# Altium PCB dcb_v2.PcbDoc (part 1 of 2) (continued)
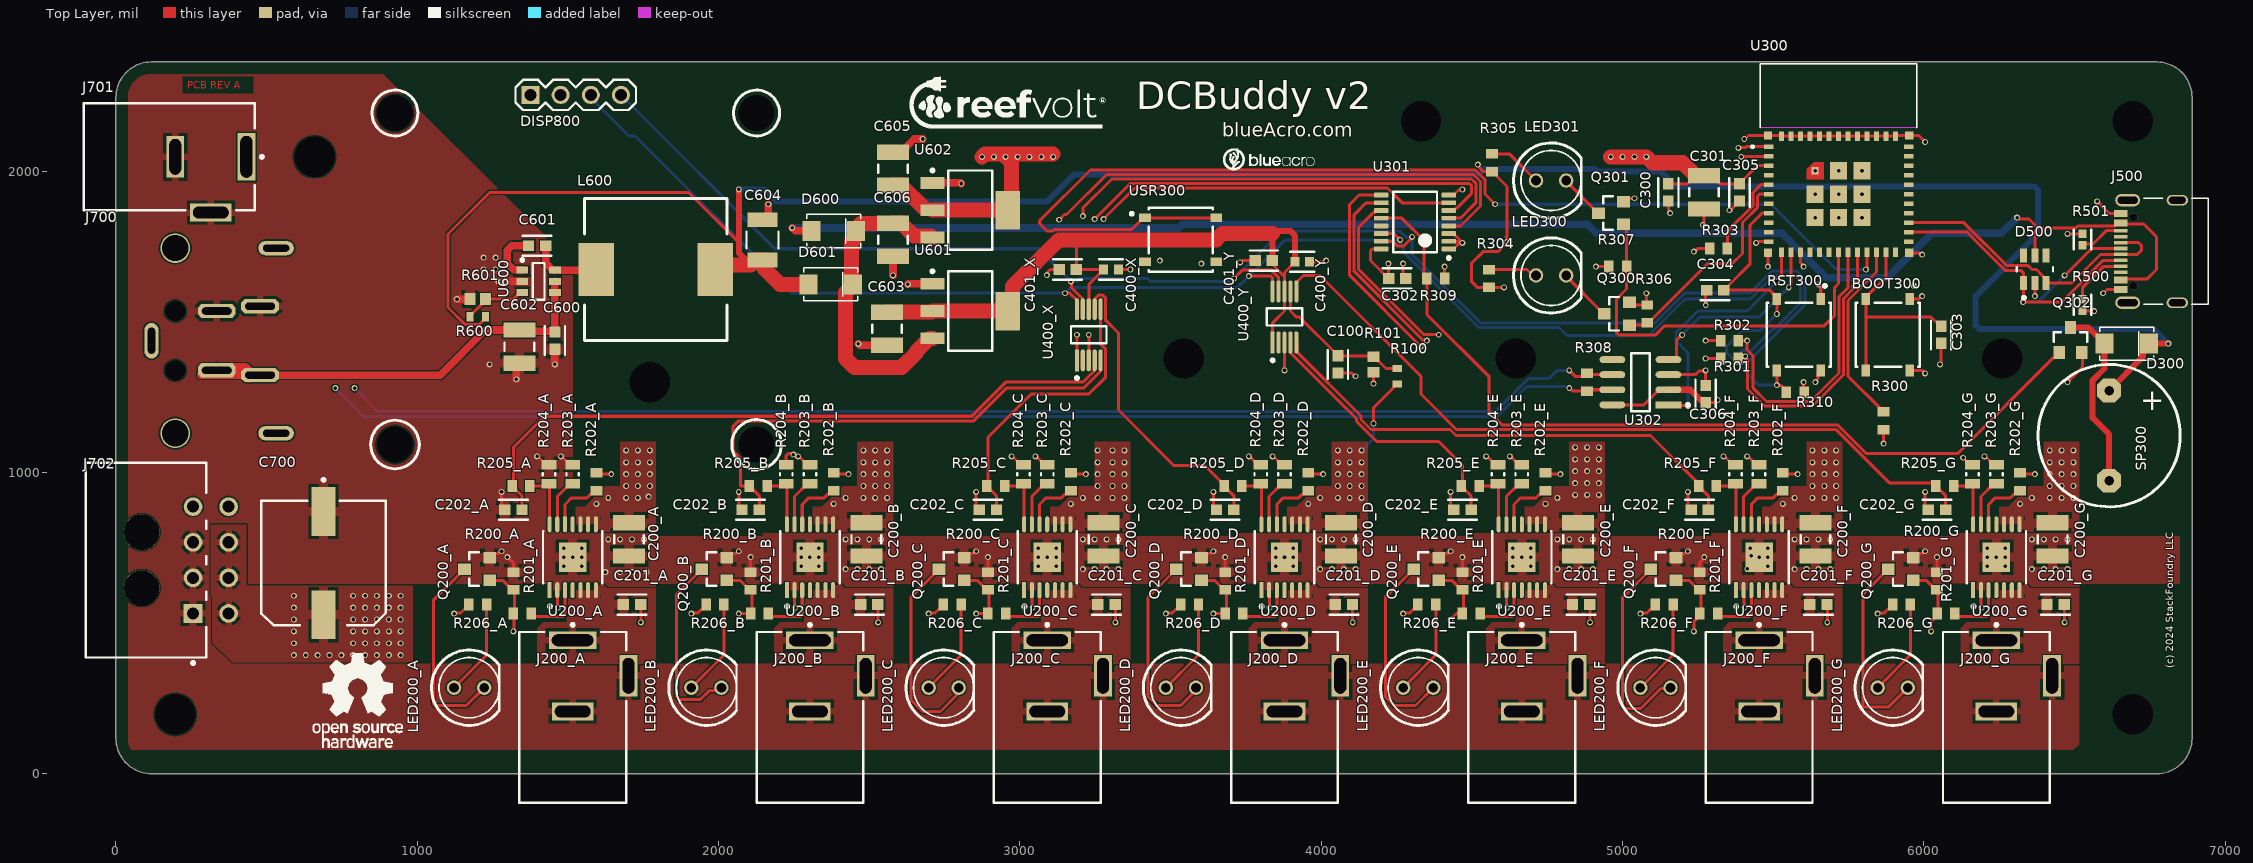
[diagram p0: Top Layer view]
## Components (designator, comment, footprint, x,y, rotation, side; value= is the part's Value field where it differs from the comment) (continued)
LED200_D "LED_INDICATOR" LED5MM 3584.25,285.43 r0 top (schematic designator LED200)
LED200_E "LED_INDICATOR" LED5MM 4371.65,285.43 r0 top (schematic designator LED200)
LED200_F "LED_INDICATOR" LED5MM 5159.06,285.43 r0 top (schematic designator LED200)
LED200_G "LED_INDICATOR" LED5MM 5946.46,285.43 r0 top (schematic designator LED200)
LED300 "LED_INDICATOR" LED5MM 4812.6,1653.54 r0 top
LED301 "LED_INDICATOR" LED5MM 4812.6,1968.5 r0 top
Q200_A "NFET" SOT23-3 1200.79,679.13 r90 top (schematic designator Q200)
Q200_B "NFET" SOT23-3 1988.19,679.13 r90 top (schematic designator Q200)
Q200_C "NFET" SOT23-3 2775.59,679.13 r90 top (schematic designator Q200)
Q200_D "NFET" SOT23-3 3562.99,679.13 r90 top (schematic designator Q200)
Q200_E "NFET" SOT23-3 4350.39,679.13 r90 top (schematic designator Q200)
Q200_F "NFET" SOT23-3 5137.8,679.13 r90 top (schematic designator Q200)
Q200_G "NFET" SOT23-3 5925.2,679.13 r90 top (schematic designator Q200)
Q300 "NFET" SOT23-3 4983.44,1525.91 r90 top
Q301 "NFET" SOT23-3 4963.75,1860.55 r90 top
Q302 "NFET" SOT23-3 6486.22,1437.01 r0 top
R100 "100k 0603 1%" RESC1608-IPC-LL 4251.97,1318.9 r270 top value=100k
R101 "7.15k 0603 0.1%" RESC1608X55X30NL20T20 4173.23,1358.27 r90 top value=7.15kR
R200_A "10K 0603 1%" RESC1608-IPC-ML 1318.9,639.76 r90 top value=10k (schematic designator R200)
R200_B "10K 0603 1%" RESC1608-IPC-ML 2106.3,639.76 r90 top value=10k (schematic designator R200)
R200_C "10K 0603 1%" RESC1608-IPC-ML 2893.7,639.76 r90 top value=10k (schematic designator R200)
R200_D "10K 0603 1%" RESC1608-IPC-ML 3681.1,639.76 r90 top value=10k (schematic designator R200)
R200_E "10K 0603 1%" RESC1608-IPC-ML 4468.5,639.76 r90 top value=10k (schematic designator R200)
R200_F "10K 0603 1%" RESC1608-IPC-ML 5255.91,639.76 r90 top value=10k (schematic designator R200)
R200_G "10K 0603 1%" RESC1608-IPC-ML 6043.31,639.76 r90 top value=10k (schematic designator R200)
R201_A "4.7k 0603 1%" RESC1608-IPC-ML 1348.43,531.5 r0 top (schematic designator R201)
R201_B "4.7k 0603 1%" RESC1608-IPC-ML 2135.83,531.5 r0 top (schematic designator R201)
R201_C "4.7k 0603 1%" RESC1608-IPC-ML 2923.23,531.5 r0 top (schematic designator R201)
R201_D "4.7k 0603 1%" RESC1608-IPC-ML 3710.63,531.5 r0 top (schematic designator R201)
R201_E "4.7k 0603 1%" RESC1608-IPC-ML 4498.03,531.5 r0 top (schematic designator R201)
R201_F "4.7k 0603 1%" RESC1608-IPC-ML 5285.43,531.5 r0 top (schematic designator R201)
R201_G "4.7k 0603 1%" RESC1608-IPC-ML 6072.83,531.5 r0 top (schematic designator R201)
R202_A "4.7k 0603 1%" RESC1608-IPC-ML 1594.49,968.5 r270 top (schematic designator R202)
R202_B "4.7k 0603 1%" RESC1608-IPC-ML 2381.89,968.5 r270 top (schematic designator R202)
R202_C "4.7k 0603 1%" RESC1608-IPC-ML 3169.29,968.5 r270 top (schematic designator R202)
R202_D "4.7k 0603 1%" RESC1608-IPC-ML 3956.69,968.5 r270 top (schematic designator R202)
R202_E "4.7k 0603 1%" RESC1608-IPC-ML 4744.09,968.5 r270 top (schematic designator R202)
R202_F "4.7k 0603 1%" RESC1608-IPC-ML 5531.5,968.5 r270 top (schematic designator R202)
R202_G "4.7k 0603 1%" RESC1608-IPC-ML 6318.9,968.5 r270 top (schematic designator R202)
R203_A "RC0805FR-07470RL" RESC2013X60X35LL10T20 1515.75,994.09 r270 top value=470R (schematic designator R203)
R203_B "RC0805FR-07470RL" RESC2013X60X35LL10T20 2303.15,994.09 r270 top value=470R (schematic designator R203)
R203_C "RC0805FR-07470RL" RESC2013X60X35LL10T20 3090.55,994.09 r270 top value=470R (schematic designator R203)
R203_D "RC0805FR-07470RL" RESC2013X60X35LL10T20 3877.95,994.09 r270 top value=470R (schematic designator R203)
R203_E "RC0805FR-07470RL" RESC2013X60X35LL10T20 4665.35,994.09 r270 top value=470R (schematic designator R203)
R203_F "RC0805FR-07470RL" RESC2013X60X35LL10T20 5452.76,994.09 r270 top value=470R (schematic designator R203)
R203_G "RC0805FR-07470RL" RESC2013X60X35LL10T20 6240.16,994.09 r270 top value=470R (schematic designator R203)
R204_A "RC0805FR-07470RL" RESC2013X60X35LL10T20 1437.01,994.09 r270 top value=470R (schematic designator R204)
R204_B "RC0805FR-07470RL" RESC2013X60X35LL10T20 2224.41,994.09 r270 top value=470R (schematic designator R204)
R204_C "RC0805FR-07470RL" RESC2013X60X35LL10T20 3011.81,994.09 r270 top value=470R (schematic designator R204)
R204_D "RC0805FR-07470RL" RESC2013X60X35LL10T20 3799.21,994.09 r270 top value=470R (schematic designator R204)
R204_E "RC0805FR-07470RL" RESC2013X60X35LL10T20 4586.61,994.09 r270 top value=470R (schematic designator R204)
R204_F "RC0805FR-07470RL" RESC2013X60X35LL10T20 5374.02,994.09 r270 top value=470R (schematic designator R204)
R204_G "RC0805FR-07470RL" RESC2013X60X35LL10T20 6161.42,994.09 r270 top value=470R (schematic designator R204)
R205_A "4.7k 0603 1%" RESC1608-IPC-ML 1344.49,954.72 r180 top (schematic designator R205)
R205_B "4.7k 0603 1%" RESC1608-IPC-ML 2131.89,954.72 r180 top (schematic designator R205)
R205_C "4.7k 0603 1%" RESC1608-IPC-ML 2919.29,954.72 r180 top (schematic designator R205)
R205_D "4.7k 0603 1%" RESC1608-IPC-ML 3706.69,954.72 r180 top (schematic designator R205)
R205_E "4.7k 0603 1%" RESC1608-IPC-ML 4494.09,954.72 r180 top (schematic designator R205)
R205_F "4.7k 0603 1%" RESC1608-IPC-ML 5281.5,954.72 r180 top (schematic designator R205)
R205_G "4.7k 0603 1%" RESC1608-IPC-ML 6068.9,954.72 r180 top (schematic designator R205)
R206_A "220R 0603 5%" RESC1608-IPC-ML 1200.79,561.02 r180 top value=220 (schematic designator R206)
R206_B "220R 0603 5%" RESC1608-IPC-ML 1988.19,561.02 r180 top value=220 (schematic designator R206)
R206_C "220R 0603 5%" RESC1608-IPC-ML 2775.59,561.02 r180 top value=220 (schematic designator R206)
R206_D "220R 0603 5%" RESC1608-IPC-ML 3562.99,561.02 r180 top value=220 (schematic designator R206)
R206_E "220R 0603 5%" RESC1608-IPC-ML 4350.39,561.02 r180 top value=220 (schematic designator R206)
R206_F "220R 0603 5%" RESC1608-IPC-ML 5137.8,561.02 r180 top value=220 (schematic designator R206)
R206_G "220R 0603 5%" RESC1608-IPC-ML 5925.2,561.02 r180 top value=220 (schematic designator R206)
R300 "10K 0603 1%" RESC1608-IPC-ML 5866.14,1171.26 r270 top value=10k
R301 "10K 0603 1%" RESC1608-IPC-ML 5354.33,1377.95 r180 top value=10k
R302 "10K 0603 1%" RESC1608-IPC-ML 5354.33,1437.01 r180 top value=10k
R303 "10K 0603 1%" RESC1608-IPC-ML 5318.08,1742.44 r180 top value=10k
R304 "220R 0603 5%" RESC1608-IPC-ML 4557.09,1643.7 r270 top value=220
R305 "220R 0603 5%" RESC1608-IPC-ML 4566.93,2027.56 r270 top value=220
R306 "10K 0603 1%" RESC1608-IPC-ML 5081.86,1525.91 r270 top value=10k
R307 "10K 0603 1%" RESC1608-IPC-ML 4983.44,1683.39 r0 top value=10k
R308 "120R 0603 5%" RESC1608-IPC-ML 4881.89,1299.21 r90 top value=120
R309 "10K 0603 1%" RESC1608-IPC-ML 4379.92,1643.7 r180 top value=10k
R310 "10K 0603 1%" RESC1608-IPC-ML 5573.22,1265.88 r0 top value=10k
R500 "AC0402FR-075K1L" FP-AC0402-IPC_A 6525.59,1555.96 r90 top value=5.1kR
R501 "AC0402FR-075K1L" FP-AC0402-IPC_A 6525.59,1772.5 r270 top value=5.1kR
R600 "100k 0603 1%" RESC1608-IPC-LL 1200.79,1515.75 r0 top
R601 "7.15k 0603 0.1%" RESC1608X55X30NL20T20 1200.79,1574.8 r0 top value=7.15kR
RST300 "PTS526SK15SMTR2LFS" FP-PTS526SK15SMTR2LFS-MFG 5584.65,1456.69 r270 top
SP300 "WST-1212UX" WST-1212UX-Footprint-1 6614.17,1122.05 r0 top
U200_A "TPS1H100BQPWPRQ1" FP-PWP0014C-IPC_C 1515.75,718.5 r90 top (schematic designator U200)
U200_B "TPS1H100BQPWPRQ1" FP-PWP0014C-IPC_C 2303.15,718.5 r90 top (schematic designator U200)
U200_C "TPS1H100BQPWPRQ1" FP-PWP0014C-IPC_C 3090.55,718.5 r90 top (schematic designator U200)
U200_D "TPS1H100BQPWPRQ1" FP-PWP0014C-IPC_C 3877.95,718.5 r90 top (schematic designator U200)
U200_E "TPS1H100BQPWPRQ1" FP-PWP0014C-IPC_C 4665.35,718.5 r90 top (schematic designator U200)
U200_F "TPS1H100BQPWPRQ1" FP-PWP0014C-IPC_C 5452.76,718.5 r90 top (schematic designator U200)
U200_G "TPS1H100BQPWPRQ1" FP-PWP0014C-IPC_C 6240.16,718.5 r90 top (schematic designator U200)
U300 "ESP32-C3-MINI-1-N4" XCVR_ESP32-C3-MINI-1-N4 5716.54,2029.53 r0 top
U301 "PCA9554APW" PW0016A_L 4311.02,1830.71 r180 top
U302 "SN65HVD230DR" FP-D0008A-IPC_B 5059.06,1299.21 r180 top
U400_X "ADS1115IDGSR" FP-DGS0010A-IPC_A 3228.35,1456.69 r90 top (schematic designator U400)
U400_Y "ADS1115IDGSR" FP-DGS0010A-IPC_A 3877.95,1515.75 r90 top (schematic designator U400)
U600 "LMR51610XFDBVR" SOT95P280X145-6N 1402.56,1633.86 r0 top
U601 "LM1117MPX-5.0" DCY0004A_M 2834.65,1535.43 r0 top
U602 "LM1117IMP-3.3/NOPB" DCY0004A_M 2834.65,1870.08 r0 top
USR300 "PTS526SK15SMTR2LFS" FP-PTS526SK15SMTR2LFS-MFG 3533.46,1771.65 r0 top

## Footprints (in the part's own frame and the unit in brackets; to place one, negate y for a bottom-side part, rotate by r counter-clockwise, add the part's x,y. Pads: shape width x height; smd on the part's side, far side on the other; paste and mask are expansions set on the pad)
AMPHENOL_10155435-00011LF [mm]
  rect 0.6x1.14 smd: A1_B12(-3.2,4.75) A4_B9(-2.4,4.75) B1_A12(3.2,4.75) B4_A9(2.4,4.75)
  rect 0.3x1.14 smd: A5(-1.25,4.75) A6(-0.25,4.75) A7(0.25,4.75) A8(1.25,4.75) B5(1.75,4.75) B6(0.75,4.75) B7(-0.75,4.75) B8(-1.75,4.75)
  oval 1.05x2.1 hole 0.6 slot 1.7 at 90 deg: SH1(-4.32,4.18) SH2(4.32,4.18)
  oval 0.9x1.8 hole 0.6 slot 1.4 at 90 deg: SH3(-4.32,0) SH4(4.32,0)
  round 0.65 hole 0.65 unplated: ""(-2.89,3.68) ""(2.89,3.68)
  silkscreen extent -4.47,-2.6 4.47,2.81, body extent -4.47,-2.6 4.47,5, height 3.26
CAPC3225X20N [mm] "Chip Capacitor, 2-Leads, Body 3.20x2.50mm, IPC Medium Density"
  rect 1.3x2.7 smd: 1(-1.4,0) 2(1.4,0)
  silkscreen extent -0.35,-1.25 0.35,1.25, body extent -1.7,-1.35 1.7,1.35, height 2
CUI-PJ-002A_V [mm] "THD, 3-Leads, Body 14.4x9mm, Height 11mm"
  rect 1.5x4 hole 1 slot 3.5 at 90 deg: 1(-3,0)
  rect 1.5x3.5 hole 1 slot 3 at 90 deg: 2(3,0)
  rect 3.5x1.5 hole 1 slot 3 at 0 deg: 3(0,4.7)
  silkscreen extent -4.42,-4.5 10.7,4.5, body extent -3.7,-4.5 10.7,4.9, height 11
DCY0004A_M [mm] "SOT223, 4-Leads, Body 6.7x3.7mm, Pitch 2.3mm, IPC Low Density"
  rrect10% 2.05x1 smd: 1(-3.175,2.3) 2(-3.175,0) 3(-3.175,-2.3)
  rrect5% 2.05x3.25 smd: 4(3.175,0)
  silkscreen extent -3.3,-3.35 1.85,3.47, body extent -3.5,-3.25 3.5,3.25, height 1.62
FP-1210-L_3_2_0_3-W_2_5_0-MFG [mm]
  rect 1.25x2.5 smd paste+0 mask+0: 1(-1.7,0) 2(1.7,0)
  silkscreen extent -0.7,-1.35 0.7,1.35, body extent -2.42,-1.45 2.42,1.45, height 0.25
FP-43045-0802-MFG [mm]
  rect 1.57x1.57 hole 1.02 paste-2539.97 mask+0: 1(4.49,3.965)
  round 1.57 hole 1.02 paste-2539.97 mask+0: 2(1.49,3.965) 3(-1.51,3.965) 4(-4.51,3.965) 5(4.49,6.965) 6(1.49,6.965) 7(-1.51,6.965) 8(-4.51,6.965)
  round 3 hole 3 unplated paste-2539.97 mask+0: ""(-2.35,-0.355) ""(2.35,-0.355)
  silkscreen extent -8.2,-5.08 8.79,5.08, body extent -8.3,-5.18 8.3,7.85, height 0.25
FP-AC0402-IPC_A [mil]
  rect 28.16x26.48 smd paste+0 mask+0: 1(-18.84,0) 2(18.84,0)
  silkscreen extent -33,-29 33,29, body extent -41,-21 41,21, height 10
FP-CL10-IPC_B [mil]
  rect 37.72x35.91 smd paste+0 mask+0: 1(-28.62,0) 2(28.62,0)
  silkscreen extent -47,-34 47,34, body extent -57,-28 57,28, height 10
FP-CL10-IPC_C [mil]
  rect 29.85x31.97 smd paste+0 mask+0: 1(-24.68,0) 2(24.68,0)
  silkscreen extent -40,-33 40,33, body extent -44,-22 44,22, height 10
FP-D0008A-IPC_B [mil]
  rect 85.4x22.92 smd paste+0 mask+0: 1(-93.06,75)
  rrect100% 85.4x22.92 smd paste+0 mask+0: 2(-93.06,25) 3(-93.06,-25) 4(-93.06,-75) 5(93.06,-75) 6(93.06,-25) 7(93.06,25) 8(93.06,75)
  silkscreen extent -162,-97 31,97, body extent -146,-106 146,106, height 10
FP-DGS0010A-IPC_A [mm]
  rect 1.857x0.35 smd paste+0 mask+0: 1(-2.151,1)
  rrect100% 1.857x0.35 smd paste+0 mask+0: 2(-2.151,0.5) 3(-2.151,0) 4(-2.151,-0.5) 5(-2.151,-1) 6(2.151,-1) 7(2.151,-0.5) 8(2.151,0) 9(2.151,0.5) 10(2.151,1)
  silkscreen extent -3.78,-1.5 0.72,1.5
FP-FKG-MFG [mm]
  rect 4.1x2 smd paste+0 mask+0: 1(-4.35,0) 2(4.35,0)
  silkscreen extent -7.15,-5.25 5.25,5.25, body extent -6.5,-5.35 6.5,5.35, height 0.25
FP-PTS526SK15SMTR2LFS-MFG [mm]
  rect 1x0.7 smd paste+0 mask+0: 1(-3,1.85) 2(3,1.85) 3(-3,-1.85) 4(3,-1.85)
  silkscreen extent -4.25,-2.7 2.7,2.7, body extent -3.6,-2.8 3.6,2.8, height 0.25
FP-PWP0014C-IPC_C [mm]
  rect 1.355x0.341 smd paste+0 mask+0: 1(-2.775,1.95)
  rrect100% 1.355x0.341 smd paste+0 mask+0: 2(-2.775,1.3) 3(-2.775,0.65) 4(-2.775,0) 5(-2.775,-0.65) 6(-2.775,-1.3) 7(-2.775,-1.95) 8(2.775,-1.95) 9(2.775,-1.3) 10(2.775,-0.65) 11(2.775,0) 12(2.775,0.65) 13(2.775,1.3) 14(2.775,1.95)
  rect 2.46x2.31 smd paste-1000 mask+0: 15(0,0)
  silkscreen extent -4.28,-2.5 2.2,2.5, body extent -3.55,-2.6 3.55,2.6, height 0.25
FP-SOT23-6L-MFG [mm]
  rect 1.2x0.6 smd paste+0 mask+0: 1(-1.15,0.95) 2(-1.15,0) 3(-1.15,-0.95) 4(1.15,-0.95) 5(1.15,0) 6(1.15,0.95)
  silkscreen extent -2.52,-1.53 0.18,1.53, body extent -1.85,-1.63 1.85,1.63, height 0.25
LED5MM [mil]
  round 48 hole 32: A(-100,0) C(0,0)
  silkscreen extent -175,-125 50,125, body extent -172,-114 44,122, height 335
OLED_1_3_CARRIERBOARD-Footprint-1 [mil]
  rect 60x60 hole 40: 1(0,0)
  round 60 hole 40: 2(100,0) 3(200,0) 4(300,0)
  round 0 hole 120 unplated paste-99999: ""(-450,-1160) ""(-450,-60) ""(750,-1160) ""(750,-60)
  silkscreen extent -531,-1242 832,50, body extent -552,-1263 852,60, height 563
PD40S [mm]
  oct 1.2x3.2 hole 0.6 slot 2.5 at 90 deg: 1(2.9,-9.15) 2(-2.9,-9.15) 3(2.5,-5.5) 4(-2.5,-5.5)
  oval 1.2x3 hole 0.6 slot 2.2 at 90 deg: SHLD(-7.8,-10.5) SHLD(7.8,-10.5)
  oval 3x1.2 hole 0.6 slot 2.2 at 0 deg: SHLD(0,0)
  round 2.5 hole 2.2 unplated: ""(-7.8,-2) ""(7.8,-2)
  round 0 hole 1.7 unplated: ""(-2.5,-2) ""(2.5,-2)
  body extent -7.9,-11.8 8.1,5.6, height 15.01
PW0016A_L [mm] "SOP, 16-Leads, Body 5.1x4.5mm, Pitch 0.65mm, IPC High Density"
  rrect25% 1.2x0.4 smd: 1(-2.85,2.275) 2(-2.85,1.625) 3(-2.85,0.975) 4(-2.85,0.325) 5(-2.85,-0.325) 6(-2.85,-0.975) 7(-2.85,-1.625) 8(-2.85,-2.275) 9(2.85,-2.275) 10(2.85,-1.625) 11(2.85,-0.975) 12(2.85,-0.325) 13(2.85,0.325) 14(2.85,0.975) 15(2.85,1.625) 16(2.85,2.275)
  silkscreen extent -2.98,-2.55 1.85,3.15, body extent -3.21,-2.5 3.21,2.5, height 1
RESC1608-IPC-LL [mm] "Chip Resistor, 2-Leads, Body 1.60x0.80mm, IPC High Density"
  rect 0.6x0.8 smd: 1(-0.65,0) 2(0.65,0)
  body extent -0.8,-0.4 0.8,0.4, height 0.45
RESC1608-IPC-ML [mm] "Chip Resistor, 2-Leads, Body 1.60x0.80mm, IPC Low Density"
  rect 0.8x1 smd: 1(-0.75,0) 2(0.75,0)
  body extent -0.8,-0.4 0.8,0.4, height 0.45
RESC1608X55X30NL20T20 [mm] "Chip Resistor, 2-Leads, Body 1.60x0.80mm, IPC Medium Density"
  rect 0.9x1 smd: 1(-0.65,0) 2(0.65,0)
  body extent -0.9,-0.5 0.9,0.5, height 0.55
RESC2013X60X35LL10T20 [mm] "Chip Resistor, 2-Leads, Body 2.1x1.35mm, IPC High Density"
  rect 0.8x1.25 smd: 1(-0.8,0) 2(0.8,0)
  silkscreen extent -0.1,-0.53 0.1,0.53, body extent -1.05,-0.67 1.05,0.68, height 0.6
SMA [mil]
  rect 60x66 smd: A(74,0) K(-74,0)
  silkscreen extent -90,-55 90,55, body extent -108,-55 108,55, height 91
SOT23-3 [mil]
  rect 38x42 smd: 1(-37.4,-39.37) 2(38,-39.37) 3(0,44)
  silkscreen extent -55,-4 56,28, body extent -57,-50 57,60, height 51
SOT95P280X145-6N [mm] "SOT23, 6-Leads, Body 2.90x2.80mm, Pitch 0.95mm, IPC Medium Density"
  rect 1x0.6 smd: 1(-1.375,0.95) 2(-1.375,0) 3(-1.375,-0.95) 4(1.375,-0.95) 5(1.375,0) 6(1.375,0.95)
  silkscreen extent -1.5,-1.55 0.5,1.92, body extent -1.5,-1.53 1.5,1.53, height 1.45
SRR1260-680M-Footprint-1 [mm]
  rect 3x4.5 smd: 1(-5,0) 2(5,0)
  silkscreen extent -6,-6 6,6, body extent -6.25,-6.25 6.25,6.25, height 6.01
WST-1212UX-Footprint-1 [mm]
  oct 2x2 hole 0.8: +(0,3.8) -(0,-3.8)
  silkscreen extent -6,-6 6,6, body extent -5.98,-6 6,6, height 7.51
XCVR_ESP32-C3-MINI-1-N4 [mm]
  rect 0.8x0.4 smd: 1(-5.9,1.3) 2(-5.9,0.5) 3(-5.9,-0.3) 4(-5.9,-1.1) 5(-5.9,-1.9) 6(-5.9,-2.7) 7(-5.9,-3.5) 8(-5.9,-4.3) 9(-5.9,-5.1) 10(-5.9,-5.9) 11(-5.9,-6.7) 25(5.9,-6.7) 26(5.9,-5.9) 27(5.9,-5.1) 28(5.9,-4.3) 29(5.9,-3.5) 30(5.9,-2.7) 31(5.9,-1.9) 32(5.9,-1.1) 33(5.9,-0.3) 34(5.9,0.5) 35(5.9,1.3)
  rect 0.4x0.8 smd: 12(-4.8,-7.6) 13(-4,-7.6) 14(-3.2,-7.6) 15(-2.4,-7.6) 16(-1.6,-7.6) 17(-0.8,-7.6) 18(0,-7.6) 19(0.8,-7.6) 20(1.6,-7.6) 21(2.4,-7.6) 22(3.2,-7.6) 23(4,-7.6) 24(4.8,-7.6) 36(4.8,2.2) 37(4,2.2) 38(3.2,2.2) 39(2.4,2.2) 40(1.6,2.2) 41(0.8,2.2) 42(0,2.2) 43(-0.8,2.2) 44(-1.6,2.2) 45(-2.4,2.2) 46(-3.2,2.2) 47(-4,2.2) 48(-4.8,2.2)
  rect 0.6x0.6 smd paste-1 mask+0: 49_1(-1.975,-0.725)
  rect 1.45x1.45 smd: 49_2(0,-0.725) 49_3(1.975,-0.725) 49_4(1.975,-2.7) 49_5(1.975,-4.675) 49_6(0,-4.675) 49_7(-1.975,-4.675) 49_8(-1.975,-2.7) 49_9(0,-2.7)
  rect 0.7x0.7 smd: 50(5.95,2.25) 51(5.95,-7.65) 52(-5.95,-7.65) 53(-5.95,2.25)
  Top Layer region: -1.25,-1.45 -2.7,-1.45 -2.7,-0.6 -2.1,0 -1.25,0
  Keep-Out Layer region: 6.6,2.9 -6.6,2.9 -6.6,8.3 6.6,8.3
  Keep-Out Layer region: 6.6,2.9 -6.6,2.9 -6.6,8.3 6.6,8.3
  silkscreen extent -7.35,1.2 6.6,8.3, body extent -6.6,-8.3 6.6,8.3, height 2.55

## Part data
BOOT300 RST300 USR300: library part CMP-011-00015-1, "Switch Tactile N.O. SPST Round Button Gull Wing 0.05A 12VDC 200000Cycles 2.45N SMD T/R", Contact Current Rating=50mA, Contact Resistance=100mR, Max Operating Temperature=70°C, Min Operating Temperature=-20°C, Operating Force=260gf, Ratings=IP40, Voltage Rating (DC)=12V, Actuator Type=Standard, Height=1.65mm, Illumination Type=Non-Illuminated, Mechanical Life=200000Cycles, Mounting Technology="Surface Mount", Number of Positions=2, Series=PTS526, Switch Function=Off-Mom, Switch Travel=0.25mm, Termination="Gull Wing", Throw Configuration=SPST
C100 C201_A C201_B C201_C C201_D C201_E C201_F C201_G C202_A C202_B C202_C C202_D C202_E C202_F C202_G C300 C303 C305 C306 C401_X C401_Y C600 C601: library part CMP-001-00084-7, "Cap Ceramic 0.1uF 50V X7R 20% SMD 0603 125C Paper T/R", Voltage=50V
C200_A C200_B C200_C C200_D C200_E C200_F C200_G C301 C602 C603 C605 C606: library part CMP-001-00083-3, "CAP CER 4.7UF 50V X7R 1210", Capacitance=4.7uF, Case Code (Imperial)=1210, Case Code (Metric)=3225, Dielectric=X7R, Max Operating Temperature=125°C, Min Operating Temperature=-55°C, Package Quantity=1, Tolerance=10%, Voltage=50V, Case/Package=1210, Contact Plating=Tin, Depth=2.5mm, Height=1.8mm, Lead Free="Lead Free", Length=3.2mm, Material=Ceramic, Mount="Surface Mount", Packaging="Tape and Reel", Radiation Hardening=No, Thickness=0.079inch, Voltage Rating=50V, Width=0.098inch
C302 C304: library part CMP-001-00085-7, "Cap Ceramic 1uF 10V X7R 10% SMD 0603 125C Paper T/R"
C400_X C400_Y: library part CMP-001-00101-4, "Cap Ceramic 4.7uF 6.3V X7R 10% SMD 0603 125°C Paper T/R"
C604: library part CMP-001-00125-1, "1210 22 uF 25 V ±20% Tolerance X7R Multilayer Ceramic Chip Capacitor", Case Code (Imperial)=1210, Case Code (Metric)=3225, Max Operating Temperature=125°C, Min Operating Temperature=-55°C, Tolerance=20%, Voltage Rating=25V, Case/Package=1210, Mounting Technology="Surface Mount", Packaging="Tape and Reel", RoHS Compliant=Yes, Series=M
C700: library part CMP-001-00124-1, "Cap Aluminum 56uF 63V 20% (10 X 10.2mm) SMD 0.03 Ohm 1800mA 5000h 105 C Embossed T/R", Case/Package=Radial, ESR (Equivalent Series Resistance)=30mR, Leakage Current=3uA, Max Operating Temperature=105°C, Min Operating Temperature=-55°C, Package Quantity=500, Ratings=AEC-Q200, Ripple Current=1.8A, Tolerance=20%, Voltage=63V, Construction=Cylindrical, Diameter=10mm, Height=10.2mm, Lead Diameter=0.9mm, Lead Free="Lead Free", Lead Pitch=4.6mm, Length=10.2mm, Life (Hours)=5000Hour, Material=Polymer, Mounting Technology="Surface Mount,PCB", Packaging="Tape and Reel", Radiation Hardening=No, Reach SVHC Compliant=No, Ripple Current (AC)=1.8A, RoHS Compliant=Yes, Series=ZA, Technology=HYBRID, Termination=SMD/SMT, Voltage Rating=63V, Voltage Rating (DC)=63V
D300 D600 D601: library part CMP-080-0002-2, Design Item ID=DIODE_SCHOTTKY, Source=diode.SCHLIB
D500: library part CMP-004-00040-1, "ESD Suppressor 15KV 6-Pin SOT-23 T/R - Product that comes on tape, but is not reeled", Breakdown Voltage=6V, Case/Package=SOT-23, Clamping Voltage=17V, Leakage Current=150nA, Max Breakdown Voltage=10V, Max Operating Temperature=125°C, Max Reverse Leakage Current=2uA, Min Operating Temperature=-40°C, Operating Supply Voltage=860mV, Peak Pulse Current=5A, Power Line Protection=Yes, Reverse Standoff Voltage=5V, Test Current=1mA, Clamping Voltage-Max=17V, Depth=1.75mm, Direction=Unidirectional, ESD Protection=Yes, Height=1.3mm, Lead Free="Lead Free", Length=3.05mm, Min Breakdown Voltage=6V, Mounting Technology="Surface Mount", Number of Channels=4, Number of Elements=1, Number of Unidirectional Channels=4, Packaging="Tape and Reel", Pins=6, Polarity=Unidirectional,Bidirectional, Radiation Hardening=No, Reach SVHC Compliant=No, Reverse Breakdown Voltage=6V, RoHS Compliant=Yes, Series=USB, Termination=SMD/SMT, Voltage Rating (DC)=5V, Width=1.75mm, Working Voltage=5V
DISP800: library part CMP-00028-00008-2, "Use 4 pin header 0901471104 on board"
J200_A J200_B J200_C J200_D J200_E J200_F J200_G J701: library part CMP-167-0003-2, "2.0 x 6.5 mm, 2.5 A, Horizontal, Through Hole, Dc Power Jack Connector", Design Item ID=PJ-0XX, Source=con-jack.SCHLIB
J500: library part CMP-243-000000-3, "16 Position 5 A USB Right Angle Receptacle Connector", Package=None, Availability=Unavailable, Component Type=Standard, Design Item ID=10155435-00011LF, MF="Amphenol ICC (FCI)", MP=10155435-00011LF, Pin Count=16, Price=None, Source=10155435-00011LF.SchLib
J700: library part CMP-167-0005-1, Design Item ID=DIN4PWR, Source=con-jack.SCHLIB
J702: library part CMP-002-00102-1, "Conn, Rect/PCB, Header, Rt Angle, 2 Row, 8 Pos, Micro-Fit 3.0, Gold, SMT, GlowWire Comp.", Case/Package=0802, Color=Black, Contact Resistance=10mR, Current Rating=5A, Flammability Rating="UL94 V-0", Insulation Resistance=1GR, Max Operating Temperature=105°C, Min Operating Temperature=-40°C, Package Quantity=1440, Voltage Rating=250V, Connector Type=Plug, Contact Material=Brass, Contact Plating=Gold, Depth=12.2mm, Diameter=3mm, Gender=Male, Glow Wire Compliant=Compliant, Halogen Free="Low Halogen", Height=8.77mm, Housing Color=Black, Housing Material=Thermoplastic, Lead Free="Lead Free", Length=16.15mm, Max Current Rating=5A, Mounting Technology="Through Hole", Number of Circuits=8, Number of Contacts=8, Number of Positions=8, Number of Rows=2, Orientation="Right Angle", Packaging=Tray, Pitch=3mm, Reach SVHC Compliant=Yes, RoHS Compliant=Yes, Row Spacing=3mm, Series="Micro-Fit 3.0", Termination=Solder, Voltage Rating (DC)=250V
L600: library part CMP-006-00034-1, "Ind Power Shielded Wirewound 68uH 20% 100KHz 22Q-Factor Ferrite 2.1A T/R", Case/Package=1260, Current Rating=2.1A, DC Resistance (DCR)=110mR, Frequency=7.43MHz, Inductance Tolerance=20%, Max Operating Temperature=125°C, Min Operating Temperature=-40°C, Package Quantity=600, Test Frequency=100kHz, Core Material=Ferrite, DC Current=2.1A, Depth=12.8mm, Height=6mm, Height - Seated (Max)=0.256inch, Length=12.5mm, Material=Steel, Max DC Current=2.1A, Military Standard=Not, Mounting Technology="Surface Mount", Packaging="Tape and Reel", Pins=2, Q Factor=22, Reach SVHC Compliant=No, RMS Current (Irms)=2.1A, RoHS Compliant=Yes, Sample Rate (Hz)=100kHz, Saturation Current=2.1A, Self Resonant Frequency=7.43MHz, Series=SRR1260, Shielding=Shielded, Termination=SMD/SMT, Tolerance=20%, Width=12.5mm
LED200_A LED200_B LED200_C LED200_D LED200_E LED200_F LED200_G LED300 LED301: library part CMP-130-0003-6, Design Item ID=LED_INDICATOR, Source=led.SchLib
Q200_A Q200_B Q200_C Q200_D Q200_E Q200_F Q200_G Q300 Q301 Q302: library part CMP-094-0000-1, Design Item ID=NFET, Source=fet.SchLib
R100: library part CMP-009-00222-1, "SMD Chip Resistor, 100 kOhm, ± 1%, 100 mW, 0603 [1608 Metric], Thick Film, General Purpose", Case Code (Imperial)=0603, Case Code (Metric)=1608, Resistance Tolerance=1%, Voltage Rating=50V, Case/Package=0603, Height=0.45mm, Tolerance=1%, Width=0.8mm
R101 R601: library part CMP-009-00235-1, "Res Thin Film 0603 7.15K Ohm 0.1% 1/10W ±25ppm/°C Molded SMD SMD Punched Carrier T/R", Case Code (Imperial)=0603, Case Code (Metric)=1608, Max Operating Temperature=155°C, Max Power Dissipation=100mW, Min Operating Temperature=-55°C, Package Quantity=1, Ratings=AEC-Q200, Resistance Tolerance=0.1%, Resistor Type="Thin Film", Temperature Coefficient=25ppm/°C, Voltage Rating=75V, Case/Package=0603, Contact Plating=Tin, Depth=0.8mm, Features="Automotive AEC-Q200", Height=0.45mm, Lead Free="Lead Free", Length=1.6mm, Mounting Technology="Surface Mount", Number of Terminations=2, Packaging="Tape and Reel", Pins=2, Power Rating=100mW, Reach SVHC Compliant=No, RoHS Compliant=Yes, Series=ERA, Technology="METAL FILM", Termination=SMD/SMT, Voltage Rating (DC)=75V, Weight=7.1E-05oz, Width=0.8mm
R200_A R200_B R200_C R200_D R200_E R200_F R200_G R300 R301 R302 R303 R306 R307 R309 R310: library part CMP-009-00191-4, "Res General Purpose Thick Film 0603 10K Ohm 1% 1/10W ±100ppm/°C Molded SMD Paper T/R"
R201_A R201_B R201_C R201_D R201_E R201_F R201_G R202_A R202_B R202_C R202_D R202_E R202_F R202_G R205_A R205_B R205_C R205_D R205_E R205_F R205_G: library part CMP-009-00205-1, "RES SMD 4.7K OHM 1% 1/10W 0603"
R203_A R203_B R203_C R203_D R203_E R203_F R203_G R204_A R204_B R204_C R204_D R204_E R204_F R204_G: library part CMP-009-00233-1, "SMD Chip Resistor, 470 Ohm, ± 1%, 125 mW, 0805 [2012 Metric], Thick Film, General Purpose", Case Code (Imperial)=0805, Case Code (Metric)=2012, Max Operating Temperature=155°C, Max Power Dissipation=125mW, Min Operating Temperature=-55°C, Package Quantity=5000, Resistance Tolerance=1%, Resistor Type="Thick Film", Temperature Coefficient=100ppm/°C, Voltage Rating=150V, Case/Package=0805, Construction=Rectangular, Depth=1.25mm, Features="Moisture Resistant", Height=0.5mm, Lead Free="Lead Free", Lead Pitch=0.4mm, Length=2mm, Number of Terminations=2, Packaging="Tape and Reel", Pins=2, Power Rating=125mW, Reach SVHC Compliant=Unknown, RoHS Compliant=Yes, Series=RC, Termination=SMD/SMT, Tolerance=1%, Voltage Rating (AC)=150V, Voltage Rating (DC)=150V, Width=1.25mm
R206_A R206_B R206_C R206_D R206_E R206_F R206_G R304 R305: library part CMP-009-00183-3, "YAGEO - RC0603JR-07220RL - SMD Chip Resistor, 0603 [1608 Metric], 220 ohm, RC Series, 75 V, Thick Film, 100 mW", Case Code (Imperial)=0603, Case Code (Metric)=1608, Max Operating Temperature=155°C, Min Operating Temperature=-55°C, Power Rating=100mW, Resistance=220R, Resistor Type="Thick Film", Temperature Coefficient=100ppm/°C, Tolerance=5%, Voltage Rating=50V, Working Voltage=75V, Case/Package=0603, Depth=0.8mm, Lead Free="Lead Free", Length=1.6mm, Military Standard=Not, Number of Pins=2, Number of Terminations=2, Packaging="Tape and Reel", REACH SVHC="No SVHC", Termination=SMD/SMT, Voltage Rating (DC)=50V, Width=0.8mm
R308: library part CMP-009-00069-2, "120R 0.1W 5% 0603 (1608 Metric)  SMD", Case/Package=0603, Power=100mW, Tolerance=5%, Mounting Technology=SMT, Pins=2
R500 R501: library part CMP-009-00234-1, "SMD Chip Resistor, 5.1 kOhm, ± 1%, 63 mW, 0402 [1005 Metric], Thick Film, General Purpose", Case Code (Imperial)=0402, Case Code (Metric)=1005, Max Operating Temperature=155°C, Max Power Dissipation=63mW, Min Operating Temperature=-55°C, Temperature Coefficient=100ppm/°C, Tolerance=1%, Voltage Rating=50V, Case/Package=0402, Features="Moisture Resistant,Automotive AEC-Q200", Height=0.015inch, Lead Free="Lead Free", Length=0.039inch, Mounting Technology="Surface Mount", Number of Terminations=2, Packaging="Cut Tape", Power Rating=63mW, RoHS Compliant=Yes, Series=AC, Width=0.02inch
R600: library part CMP-009-00203-1, "Res Thick Film 1.6 x 0.8 mm 100K Ohm 1% 0.1W(1/10W) 100ppm/ C Molded SMD Paper T/R"
SP300: library part CMP-00027-00003-3, "Audio Magnetic Xdcr 9-15V Th", Frequency=2.3kHz, Max Operating Temperature=60°C, Min Operating Temperature=-20°C, Mounting Technology="Through Hole"
U200_A U200_B U200_C U200_D U200_E U200_F U200_G: library part CMP-024-00009-1, "Current Limit SW 1-IN 1-OUT 5V to 40V 4A Automotive 14-Pin HTSSOP EP T/R", Case/Package=HTSSOP, Max Operating Temperature=125°C, Max Output current=4A, Max Supply Voltage=40V, Min Operating Temperature=-40°C, Min Supply Voltage=3.5V, Fault Protection="Over Temperature", Height=1.2mm, Interface=On/Off, Lead Free="Lead Free", Length=5mm, Number of Channels=1, Number of Outputs=1, Output Configuration="High Side", Packaging="Cut Tape", Pins=14, RoHS Compliant=Yes, Series="Automotive, AEC-Q100", Thickness=1mm, Width=4.4mm
U300: library part CMP-206-000000-1, "Bluetooth, WiFi 802.11b/g/n, Bluetooth v5.0 Transceiver Module 2.412GHz ~ 2.484GHz PCB Trace Surface Mount", Package="SMD-53 Espressif Systems", Availability="In Stock", Check_prices=https://www.snapeda.com/parts/ESP32-C3-MINI-1-N4/Espressif+Systems/view-part/?ref=eda, Component Type=Standard, Design Item ID=ESP32-C3-MINI-1-N4, MF="Espressif Systems", MP=ESP32-C3-MINI-1-N4, Pin Count=61, Price=None, Purchase-URL=https://pricing.snapeda.com/search/part/ESP32-C3-MINI-1-N4/?ref=eda, SnapEDA_Link=https://www.snapeda.com/parts/ESP32-C3-MINI-1-N4/Espressif+Systems/view-part/?ref=snap, Source=ESP32-C3-MINI-1-N4.SchLib
U301: library part CMP-015-00016-1, "I2C/SMBus Interface 100kHz/400kHz 5.5V 16-Pin TSSOP Tube / IC I/O EXPANDER I2C 8B 16TSSOP", Case/Package=TSSOP, Clock Frequency=400kHz, Max Operating Temperature=85°C, Min Operating Temperature=-40°C, Operating Supply Current=104uA, Operating Supply Voltage=5.5V, Frequency=400kHz, Height=1.2mm, Lead Free="Lead Free", Length=5mm, Number of I/Os=8, Number of Outputs=8, Output Type=PUSH-PULL, Packaging=Rail/Tube, Pins=16, Radiation Hardening=No, RoHS Compliant=Yes, Series=-, Thickness=1mm, Weight=0.002183oz, Width=4.4mm
U302: library part CMP-015-00015-1, "EAR99 65HVD230 Cut Tape (CT) CANbus interface driver 3.3V 17mA 72.603129mg 1Mbps", Case/Package=D, Max Operating Temperature=85°C, Max Supply Voltage=3.6V, Min Operating Temperature=-40°C, Min Supply Voltage=3V, Operating Supply Voltage=3.3V, Package Quantity=1, Supply Current=17mA, Data Rate=1Mbps, Height=1.75mm, Lead Free="Lead Free", Length=4.9mm, Number of Drivers=1, Number of I/Os=2, Number of Receive Buffers=1, Number of Receivers=1, Number of Transceivers=1, Number of Transmit Buffers=1, Packaging="Tape and Reel", Pins=8, Radiation Hardening=No, Reach SVHC Compliant=No, RoHS Compliant=Yes, Series=-, Slew Rate=15V/µs, Termination=SMD/SMT, Thickness=1.58mm, Weight=0.002561oz, Width=3.91mm
U400_X U400_Y: library part CMP-015-00014-1, "4-Channel Single ADC Delta-Sigma 860sps 16-bit Serial 10-Pin VSSOP T/R", Case/Package=VSSOP, Max Operating Temperature=125°C, Max Supply Voltage=5.5V, Min Operating Temperature=-40°C, Min Supply Voltage=2V, Nominal Supply Current=150uA, Package Quantity=2500, Power Dissipation=900uW, Contact Plating=Gold, Conversion Rate=0.86KS/s, Height=1.07mm, Integral Nonlinearity (INL)=1LSB, Interface=I2C, Lead Free="Lead Free", Length=3mm, Max Supply Voltage (DC)=5.5V, Min Supply Voltage (DC)=2V, Number of A/D Converters=1, Number of Bits=16, Number of Channels=2, Number of Converters=1, Number of Inputs=4, Packaging="Tape and Reel", Pins=10, Polarity=Bipolar, Reach SVHC Compliant=No, Resolution=16b, RoHS Compliant=Yes, Sampling Rate=860S/s, Series=-, Supply Type=Single, Thickness=1.02mm, Width=3mm
U600: library part CMP-019-00077-1, "SIMPLE SWITCHER® power converter with 4.5V-to-65V 1A synchronous buck and 25µA quiescent current 6-SOT-23 -40 to 150"
U601: library part CMP-019-00078-1, "LDO Regulator Pos 5V 0.8A 4-Pin(3+Tab) SOT-223 T/R", Case/Package=SOT-223, Current Rating=800A, Dropout Voltage=1.2V, Max Operating Temperature=125°C, Max Output current=800mA, Max Output Voltage=5V, Max Supply Current=10mA, Max Supply Voltage=15V, Min Input Voltage=2.6V, Min Operating Temperature=0°C, Min Supply Voltage=6.5V, Output Voltage Accuracy=1%, Power Supply Rejection Ratio (PSRR)=75dB, Accuracy=1%, Lead Free="Contains Lead", Mounting Technology="Surface Mount", Number of Outputs=1, Number of Regulators=1, Output Configuration=Positive, Output Current=800mA, Output Type=Fixed, Output Voltage=5V, Packaging="Tape and Reel", Pins=4, Polarity=Positive, Quiescent Current=10mA, Reach SVHC Compliant=No, RoHS Compliant=No, Series=-, Termination=SMD/SMT
U602: library part CMP-019-00080-1, "LDO Regulator Pos 3.3V 0.8A 4-Pin(3+Tab) SOT-223 T/R / IC REG LDO 3.3V 0.8A SOT223", Case/Package=SOT-223, Current Rating=800A, Dropout Voltage=1.2V, Max Operating Temperature=125°C, Max Output current=800mA, Max Supply Voltage=10V, Min Input Voltage=2.6V, Min Operating Temperature=-40°C, Min Supply Voltage=4.75V, Nominal Output Voltage=3.3V, Output Voltage Accuracy=1%, Package Quantity=1000, Quiescent Current=15mA, Accuracy=1%, Height=1.6mm, Lead Free="Lead Free", Length=6.5mm, Min Current Limit=800mA, Mounting Technology="Surface Mount", Number of Channels=1, Number of Outputs=1, Number of Regulators=1, Output Current=800mA, Output Type=Fixed, Output Voltage=3.3V, Packaging="Tape and Reel", Pins=4, Polarity=Positive, Radiation Hardening=No, Reach SVHC Compliant=No, RoHS Compliant=Yes, Termination=SMD/SMT, Thickness=1.6mm, Width=3.56mm

## Free pads (board coordinates)
  round 0 hole 133.86 unplated: 2(4330.71,2165.35) 2(6692.91,196.85) 2(6692.91,2165.35) 3(6259.84,1377.95) 4(4645.67,1377.95) 5(3543.31,1377.95) 6(1771.65,1299.21) 7(659.45,2047.24) 8(196.85,196.85)

## Via types
v1: diameter 19.68, hole 11.81, Top Layer to Bottom Layer, 455 vias

## Nets (pads, with @x,y where several pads share a name; then routed paths per layer and width w, separated by ;. In a path a pad name is that pad's centre, name@x,y a point inside that pad or via, vN(x,y) a via of type N, cw(c..) or ccw(c..) an arc to the next point about the centre after c; other vN are vias at no path point)
3V3: C300.1 C301.2 C302.1 C305.1 C306.1 C605.2 DISP800.1 R202_A.1 R202_B.1 R202_C.1 R202_D.1 R202_E.1 R202_F.1 R202_G.1 R206_A.2 R206_B.2 R206_C.2 R206_D.2 R206_E.2 R206_F.2 R206_G.2 R300.2 R301.2 R302.2 R303.2 R304.2 R305.2 R310.2 U300.3 U301.16 U302.3 U602.2 U602.4 | length 4101.1
  Top Layer w10: v1(1122.05,531.5) 1123.9,533.35 1143.59,533.35 1156.57,546.34 1160.51,546.34 1171.26,557.09 R206_A.2@1171.26,561.02 ; R202_A.1@1594.49,994.09 v1(1643.7,994.09) ; v1(1909.45,531.5) 1911.3,533.35 1930.99,533.35 1943.98,546.34 1947.91,546.34 1958.66,557.09 R206_B.2@1958.66,561.02 ; R202_B.1@2381.89,994.09 v1(2431.1,994.09) ; v1(2696.85,531.5) 2698.7,533.35 2718.39,533.35 2731.38,546.34 2735.32,546.34 2746.06,557.09 R206_C.2@2746.06,561.02 ; R202_C.1@3169.29,994.09 v1(3218.5,994.09) ; v1(3484.25,531.5) 3486.11,533.35 3505.79,533.35 3518.78,546.34 3522.72,546.34 3533.46,557.09 R206_D.2@3533.46,561.02 ; R202_D.1@3956.69,994.09 v1(4005.91,994.09) ; U301.16@4198.82,1741.14 4169.24,1741.14 4163.39,1735.28 4163.39,1702.76 4173.23,1692.91 4222.44,1643.7 C302.1@4223.35,1643.7 4222.44,1644.61 v1(4222.44,1692.91) ; v1(4271.65,531.5) 4273.51,533.35 4293.19,533.35 4306.18,546.34 4310.12,546.34 4320.87,557.09 R206_E.2@4320.87,561.02 ; 4523.38,2012.31 4537.66,1998.03 4570.87,1998.03 4581.61,1987.28 4581.61,1983.35 4616.14,1948.82 v1(4616.14,1764) 4616.14,1761.81 4586.61,1732.28 4537.4,1732.28 4498.03,1692.91 4498.03,1633.86 4517.72,1614.17 R304.2@4557.09,1614.17 v1(4606.3,1614.17) ; 4613.52,1781.5 4616.14,1781.5 ; R202_E.1@4744.09,994.09 v1(4793.31,994.09) ; v1(5059.06,531.5) 5060.91,533.35 5080.59,533.35 5093.58,546.34 5097.52,546.34 5108.27,557.09 R206_F.2@5108.27,561.02 ; C300.1@5151.57,1957.76 5215.63,1957.76 5242.13,1984.25 C301.2@5269.69,1984.25 5297.24,1984.25 5323.74,1957.76 C305.1@5387.8,1957.76 5387.8,1958.66 5446.85,2017.72 U300.3@5484.25,2017.72 ; U302.3@5152.11,1324.21 5240.75,1324.21 5253.27,1336.73 5273.74,1336.73 v1(5275.59,1338.58) C306.1@5275.59,1288.46 ; v1(5236.22,1732.28) 5238.84,1732.28 5249,1742.44 R303.2@5288.56,1742.44 ; v1(5275.59,1377.95) R301.2@5324.8,1377.95 ; v1(5275.59,1437.01) R302.2@5324.8,1437.01 ; R202_F.1@5531.5,994.09 v1(5580.71,994.09) ; v1(5600.39,1299.21) 5600.39,1268.24 R310.2@5602.75,1265.88 ; v1(5846.46,531.5) 5848.31,533.35 5867.99,533.35 5880.98,546.34 5884.92,546.34 5895.67,557.09 R206_G.2@5895.67,561.02 ; v1(5865.82,1095.64) 5865.82,1141.42 R300.2@5866.14,1141.73 ; R202_G.1@6318.9,994.09 v1(6368.11,994.09)
  Top Layer w50: C605.2@2578.74,1952.76 2606.3,1952.76 U602.2@2683.66,1875.39 ; U602.2@2709.65,1870.08 U602.4@2959.65,1870.08 2972.44,1882.87 2972.44,2027.56 v1(2952.76,2047.24) ; v1(2874.02,2047.24) 2883.86,2057.09 v1@3110.24,2057.09 ; v1(4960.63,2047.24) v1(5000,2047.24) v1(5039.37,2047.24) v1(5078.74,2047.24) 5098.43,2027.56 5198.82,2027.56 C301.2@5241.54,1984.84
  Int2 (PWR) w25: DISP800.1@1371.08,2256.9 1380.37,2256.9 1393.48,2270.02 1393.48,2279.31 1417.32,2303.15 1899.61,2303.15
  other v1: 4519.56,2021.47 2913.39,2047.24 2992.13,2047.24 3031.5,2047.24 3070.87,2047.24 3110.24,2047.24
5V: C400_X.1 C400_Y.1 C401_X.1 C401_Y.1 C603.2 U400_X.8 U400_Y.1 U400_Y.8 U601.2 U601.4 | length 2409.9
  Top Layer w10: 3187.16,1779.68 3187.16,1756.18 C401_X.1@3187.16,1673.23 C400_X.1@3277.4,1673.23 3277.4,1672.17 3228.35,1623.11 U400_X.8@3228.35,1541.37 ; C401_Y.1@3831.26,1696.34 3877.95,1649.64 ; U400_Y.1@3838.58,1431.07 3838.58,1496.5 3877.95,1535.87 U400_Y.8@3877.95,1600.43 3877.95,1649.64 ; C400_Y.1@3912.32,1698.85 3912.32,1697.79 3877.95,1663.42 3877.95,1649.64
  Top Layer w20: C401_Y.1@3837.68,1702.76 3837.68,1792.24 3828.74,1801.18 3837.68,1801.18 3897.64,1801.18 3912.32,1786.5 C400_Y.1@3912.32,1698.85
  Top Layer w50: C603.2@2559.06,1531.5 2559.65,1532.09 2706.3,1532.09 U601.2@2709.65,1535.43 U601.4@2959.65,1535.43 2975,1550.79 2975,1616.73 3129.92,1771.65 3179.13,1771.65 ; 3187.16,1771.65 3651.57,1771.65 3672.17,1792.24 3837.68,1792.24
12V: C604.1 D300.K D601.A L600.2 R600.2 SP300.+ | length 8009
  Top Layer w10: R600.2@1226.38,1515.75 1226.38,1511.81 1204.57,1490 1159.24,1490 1102.36,1546.88 1102.36,1791.34 1240.16,1929.13 1901.13,1929.13 2066.93,1763.34
  Top Layer w20: v1(2066.93,1938.98) 2066.93,1763.34 2066.93,1728.19 C604.1@2106.62,1688.5 ; SP300.+@6614.17,1271.65 6727.23,1384.71 6727.23,1407.17 D300.K@6747.23,1427.17 v1(6811.02,1427.17)
  Top Layer w50: L600.2@1988.19,1673.23 2003.46,1688.5 2106.62,1688.5 2122.85,1704.72 C604.1@2149.8,1704.72 ; C604.1@2150.2,1704.33 2150.2,1677.38 2203.56,1624.02 D601.A@2298.05,1624.02
  Bottom Layer w20: v1(2066.93,1938.98) 2151.27,1938.98 2190.64,1899.61 3090.55,1899.61 3179.13,1988.19 4521.41,1988.19 4540.73,2007.5 4907.46,2007.5 4916.93,1998.03 5127.95,1998.03 5177.17,1948.82 6366.24,1948.82 6377.95,1937.1 6377.95,1791.34 6171.26,1584.65 6171.26,1488.09 6182.98,1476.38 6761.81,1476.38 v1(6811.02,1427.17)
BUZZ: Q302.1 R309.2 U301.12 | length 2916.1
  Top Layer w10: U301.12@4198.82,1843.5 4267.23,1843.5 4340.55,1770.19 4340.55,1663.39 R309.2@4355.32,1648.62 ; R309.2@4350.39,1643.7 4350.39,1524.12 4557.09,1317.43 4557.09,1200.79 4601.14,1156.73 5714.87,1156.73 5808.61,1062.99 6112.2,1062.99 6430.85,1381.64 6434.82,1381.64 6446.85,1393.67 Q302.1@6446.85,1397.64
CAN_D: U300.12 U302.1 | length 833.6
  Top Layer w10: U302.1@5152.11,1224.21 5154,1222.33 5214.68,1222.33 v1(5216.54,1220.47) ; v1(5511.81,1633.86) 5511.81,1636.48 5527.56,1652.23 U300.12@5527.56,1730.31
  Bottom Layer w10: v1(5216.54,1220.47) 5216.54,1397.64 5177.01,1437.17 5177.01,1463.32 5249.12,1535.43 5413.39,1535.43 v1(5511.81,1633.86)
CAN_R: U300.13 U302.4 | length 652.8
  Top Layer w10: U302.4@5152.11,1374.21 5172.38,1374.21 5178.35,1380.18 5178.35,1438.19 5196.06,1455.9 v1(5197.65,1455.9) ; v1(5551.18,1614.17) 5551.18,1616.79 5559.06,1624.67 U300.13@5559.06,1730.31
  Bottom Layer w10: v1(5197.65,1455.9) 5197.65,1457.49 5255.91,1515.75 5452.76,1515.75 v1(5551.18,1614.17)
CANH: J702.4 R308.1 U302.7 | length 5011.1
  Top Layer w10: v1(4822.83,1279.69) 4825.46,1279.69 4835.46,1269.69 R308.1@4881.89,1269.69 4886.42,1274.21 U302.7@4966,1274.21
  Int2 (PWR) w10: J702.4@255.91,886.22 373.98,1004.29 373.98,1092.48 561.02,1279.53 v1(728.35,1279.53)
  Bottom Layer w10: v1(728.35,1279.53) 821.7,1186.17 4583.9,1186.17 4682.6,1284.88 4806.89,1284.88 v1(4822.83,1279.69)